# KiCad board Plume.kicad_pcb (continued)
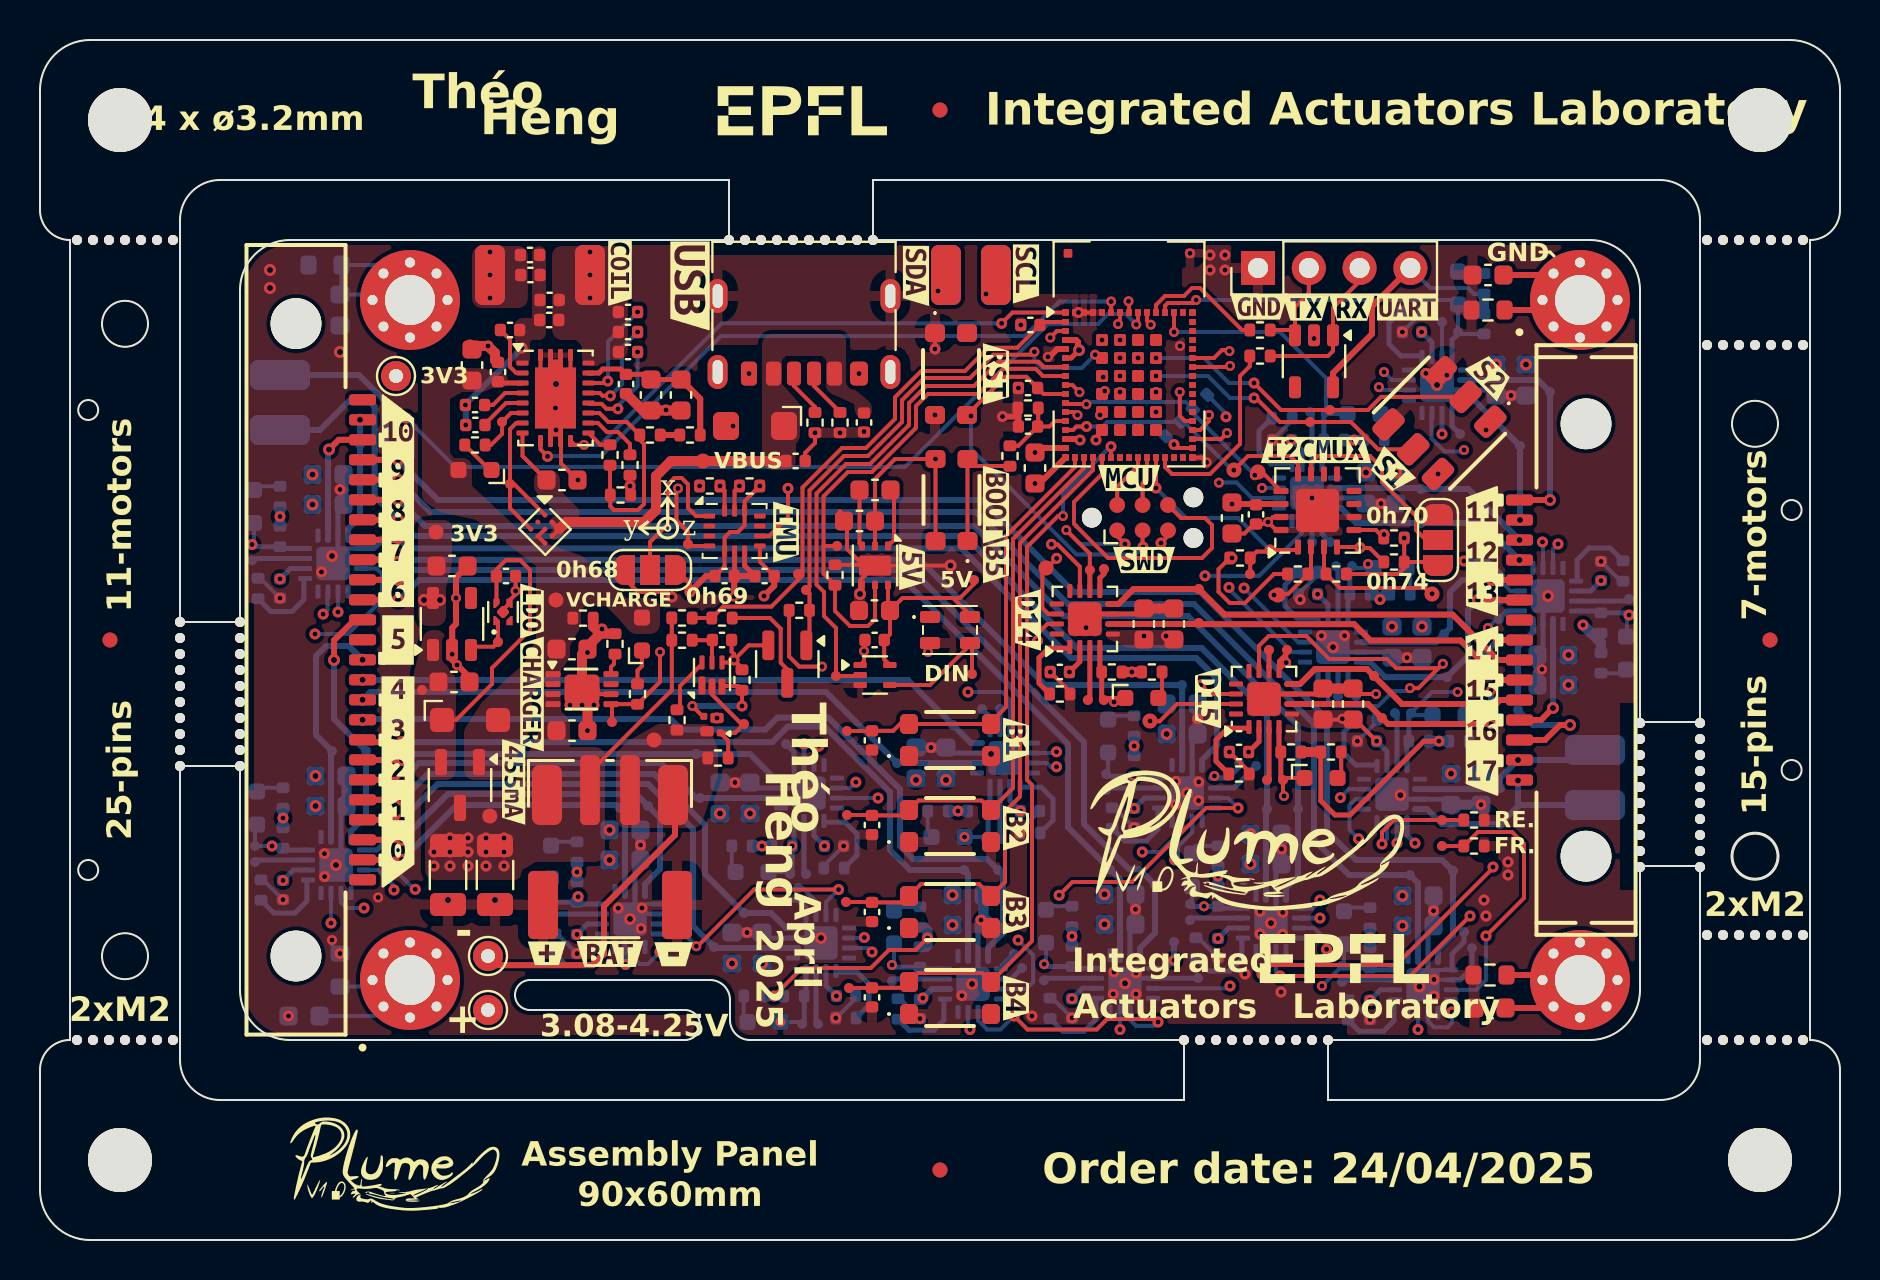
[diagram p0: board, top side]
## Routing (per net, layer and track width the routed paths; a pad name or vN(x,y) marks a point on that pad's centre or on a via; arc(x,y) is an arc through that point) (continued)
/Project Architecture/Logic - I2C Mux/A2: length 9.6
  L1 (Sig, PWR) w0.2: JP801.2 69.3,35 68.8,35.5 68.8,36.2 67.1,37.9 67.1,38.6 66.5,39.2 63.9,39.2 63.55,38.85 U801.11
/Project Architecture/Logic - I2C Mux/I2C1_SCL: length 13.8
  L1 (Sig, PWR) w0.2: v1(52.32,40.68) 51.83,40.68 51.65,40.5 51.28,40.5 ; v1(59.69,38.49) 60.4,39.2 62.5,39.2 62.9,38.8 U801.12
  L8 (Sig, PWR) w0.2: v1(59.69,38.49) 59.61,38.49 57.19,40.91 R803.2 57,40.9 53.36,40.9 53.13,40.68 v1(52.32,40.68)
/Project Architecture/Logic - I2C Mux/I2C1_SDA: length 12.9
  L1 (Sig, PWR) w0.2: 51.28,41.85 51.32,41.8 52.31,41.8 52.32,41.79 v2(52.32,41.78) ; v2(60.74,38.24) 61.26,38.24 U801.13
  L8 (Sig, PWR) w0.2: v2(52.32,41.78) 52.35,41.82 52.35,41.9 57.28,41.9 R802.2 57.64,41.34 60.63,38.35 v2(60.74,38.24)
/Project Architecture/Logic - I2C Mux/MUX_RESET: length 11.9
  L1 (Sig, PWR) w0.2: v1(55.8,37.6) U401.27 ; TP801.1 60.51,33.31 R801.2 60.83,34.42 61.42,34.42 v1(61.5,34.5) 62.75,34.5 U801.1
  L8 (Sig, PWR) w0.2: v1(55.8,37.6) 57.3,36.1 59.9,36.1 v1(61.5,34.5)
/Project Architecture/Logic - I2C Mux/SC0: length 128.3
  L1 (Sig, PWR) w0.2: v1(61.1,13.3) 61.55,13.75 67.8,13.75 72.65,18.6 v1(72.65,18.65) ; v1(69.61,32.31) 69.53,32.31 69.24,32.6 65,32.6 R804.2 64.2,33.4 U801.3
  L3 (Sig, PWR) w0.2: v1(61.1,13.3) 59.79,11.99 arc(59.47,11.78) 59.09,11.7 55.59,11.7 arc(55.21,11.62) 54.88,11.41 v1(54,10.53) v1(46.5,10.53) 46.5,10.99 arc(46.58,11.38) 46.79,11.7 53.29,18.2 53.5,18.2 arc(53.88,18.28) 54.21,18.49 v1(55.11,19.4) 51.01,23.5 50.99,23.5 v1(50.82,23.66) 43.87,23.66 arc(43.49,23.58) 43.17,23.37 v1(41.9,22.1) 41.9,15.11 arc(41.82,14.73) 41.61,14.41 v1(41.6,14.4) 41.57,14.43 34.74,14.43 arc(34.36,14.35) 34.03,14.13 33.97,14.07 arc(33.64,13.85) 33.26,13.78 v1(29.28,13.78) 29.17,13.78 29.14,13.74 25.97,13.74 arc(25.59,13.82) 25.26,14.04 23.74,15.56 arc(23.42,15.77) 23.04,15.85 v1(14.55,15.85)
  L3 (Sig, PWR) w0.3: v1(72.65,18.65) 72.62,18.68 72.62,20.49 arc(72.7,20.87) 72.92,21.19 73.15,21.43 73.15,28.36 arc(73.07,28.74) 72.86,29.06 v1(69.61,32.31)
  L8 (Sig, PWR) w0.2: v1(29.28,13.78) 29.28,13.88 29.25,13.92 29.25,14.59 ; 54,11.38 v1(54,10.53) ; v1(14.55,15.85) 14.55,17.29 ; v1(61.1,13.3) 61.3,13.5 61.3,14.39 ; v1(50.82,23.66) 50.54,23.66 50.35,23.85 49.71,23.85 ; v1(46.5,10.53) 46.4,10.62 46.4,11.34 ; 57.11,20.89 57.11,20.51 56,19.4 v1(55.11,19.4) ; 40.51,14.6 41.4,14.6 v1(41.6,14.4) ; v1(41.9,22.1) 39.91,22.1
/Project Architecture/Logic - I2C Mux/SC1: length 145.7
  L1 (Sig, PWR) w0.2: v1(67.2,35.28) 67.02,35.28 66.79,35.5 U801.5 ; 59.74,26.8 56.85,26.8 55.98,25.93 55.52,25.93 v1(55.5,25.95) ; v1(49.88,29.96) 49.88,30.31 50.37,30.8 50.79,30.8
  L3 (Sig, PWR) w0.2: 68.4,36.5 68.5,36.6 73.83,36.6 arc(74.22,36.52) 74.54,36.31 75.9,34.95 v1(75.9,34.8) 75.9,34.11 arc(75.82,33.73) 75.61,33.41 74.84,32.64 arc(74.63,32.32) 74.55,31.94 74.55,14.95 arc(74.47,14.57) 74.26,14.24 70.83,10.82 arc(70.51,10.6) 70.13,10.53 v1(68.9,10.53) 65.31,14.11 arc(65.09,14.44) 65.02,14.82 v1(65.02,22.12) 60.73,26.41 arc(60.41,26.62) 60.02,26.7 56.67,26.7 arc(56.29,26.62) 55.96,26.41 55.5,25.95 v1(55.5,25.95) 55.47,25.95 51.75,29.67 arc(51.43,29.88) 51.04,29.96 v1(49.88,29.96) 49.87,29.95 41.48,29.95 41.43,30 40.97,30 40.92,29.95 15.92,29.95 arc(15.53,30.03) 15.21,30.24 v1(14.16,31.29) ; 68.4,36.5 68.4,36.51 68.4,41.78 arc(68.32,42.17) 68.11,42.49 v2(67.2,43.4) ; 68.4,36.5 67.2,35.31 v1(67.2,35.28) 67.17,35.28 67.09,35.2 63.43,35.2 arc(63.05,35.12) 62.72,34.91 60.41,32.6 v1(60.2,32.6) 60.2,36.59 arc(60.28,36.97) 60.49,37.29 60.8,37.6 v2(61.1,37.6)
  L8 (Sig, PWR) w0.2: v1(60.2,32.6) 62.91,29.89 63.19,29.89 ; 14.4,32.37 14.37,32.34 14.37,31.51 v1(14.16,31.29) ; v2(67.2,43.4) 67.6,43 68.39,43 ; v2(61.1,37.6) 61.89,37.6 ; 68.9,11.3 v1(68.9,10.53) ; v1(75.9,34.8) 75.65,34.55 75.65,33.66 ; 66.14,22.54 65.44,22.54 v1(65.02,22.12)
/Project Architecture/Logic - I2C Mux/SD0: length 130.7
  L1 (Sig, PWR) w0.2: U801.2 63.55,33.45 R805.2 62.4,32.3 61.75,32.3 v1(61.7,32.25) ; v1(62,13.2) 68.5,13.2 v1(71.5,16.2) ; v1(48.7,11.2) 49.38,10.53 52.83,10.53 53.36,11.05 55.75,11.05 v1(55.9,10.9)
  L3 (Sig, PWR) w0.2: v1(71.5,16.2) 71.5,20.82 arc(71.42,21.2) 71.21,21.52 61.99,30.74 arc(61.78,31.06) 61.7,31.44 v1(61.7,32.25) ; v1(55.9,10.9) 59.29,10.9 arc(59.67,10.98) 59.99,11.19 v1(62,13.2) ; v1(48.7,11.2) 48.79,11.2 51.49,13.91 arc(51.82,14.12) 52.2,14.2 53.09,14.2 arc(53.47,14.28) 53.79,14.49 56.44,17.14 arc(56.66,17.47) 56.74,17.85 v1(56.74,19.01) 56.74,19.95 arc(56.66,20.34) 56.44,20.66 52.99,24.11 arc(52.67,24.32) 52.29,24.4 50.84,24.4 v1(50.82,24.41) 50.69,24.41 50.09,25.01 arc(49.77,25.22) 49.39,25.3 43.61,25.3 arc(43.23,25.22) 42.91,25.01 v1(40.79,22.89) 40.8,22.89 40.8,19.89 40.92,19.77 arc(41.14,19.45) 41.22,19.06 v1(41.22,15.12) 40.34,15.12 arc(39.96,15.2) 39.63,15.42 39.39,15.66 arc(39.07,15.87) 38.68,15.95 33.72,15.95 arc(33.33,15.87) 33.01,15.66 32.04,14.69 arc(31.72,14.48) 31.34,14.4 v1(31,14.4) 30.41,14.4 arc(30.03,14.48) 29.71,14.69 28.29,16.11 arc(27.97,16.32) 27.59,16.4 16.95,16.4 16.75,16.6 v1(16.2,16.6)
  L8 (Sig, PWR) w0.2: 39.91,22.6 40.5,22.6 v1(40.79,22.89) ; v1(41.22,15.12) 41.19,15.1 40.51,15.1 ; 61.8,14.39 61.8,13.4 v1(62,13.2) ; v1(56.74,19.01) 56.9,19.17 56.9,19.67 57.61,20.38 57.61,20.89 ; 29.75,14.59 29.75,14.03 29.98,13.8 30.4,13.8 v1(31,14.4) ; v1(48.7,11.2) 48.03,10.53 47.35,10.53 46.9,10.98 46.9,11.34 ; v1(55.9,10.9) 55.71,10.71 54.81,10.71 54.5,11.01 54.5,11.38 ; 15.05,17.29 15.05,16.88 15.33,16.6 v1(16.2,16.6) ; v1(50.82,24.41) 50.71,24.41 50.65,24.35 49.71,24.35
/Project Architecture/Logic - I2C Mux/SD1: length 136.4
  L1 (Sig, PWR) w0.2: 50.79,31.3 50.42,31.3 50.12,31.61 50.12,33.42 TP1105.1 50.35,33.6 v1(50.83,34.08) ; v1(58.04,27.75) 58.49,27.3 59.74,27.3 ; R807.2 66.49,34.6 66.03,34.6 v1(66,34.62) 65.88,34.62 65.85,34.65 U801.4
  L3 (Sig, PWR) w0.2: v1(70.6,11.4) 69.81,11.4 arc(69.43,11.48) 69.1,11.69 66.09,14.7 arc(65.88,15.03) 65.8,15.41 65.8,19.94 v1(65.93,20.06) 65.93,22.43 arc(65.85,22.81) 65.63,23.13 61.31,27.45 arc(60.99,27.67) 60.61,27.74 58.04,27.74 v1(58.04,27.75) 57.54,28.25 arc(57.33,28.57) 57.25,28.95 57.25,30.02 arc(57.33,30.4) 57.54,30.72 v1(59.45,32.63) ; v1(59.45,32.63) 58.61,31.79 arc(58.29,31.58) 57.91,31.5 56.66,31.5 arc(56.28,31.58) 55.96,31.79 53.96,33.79 arc(53.64,34.01) 53.25,34.08 v1(50.83,34.08) 48.34,31.59 arc(48.01,31.37) 47.63,31.29 15.01,31.29 v1(14.9,31.4) ; v1(59.45,32.63) 59.45,32.53 59.69,32.29 arc(60.02,32.08) 60.4,32 60.41,32 62.72,34.31 arc(63.05,34.52) 63.43,34.6 65.97,34.6 v1(66,34.62) 66.1,34.52 71.51,34.52 arc(71.89,34.45) 72.22,34.23 72.76,33.69 arc(73.08,33.48) 73.46,33.4 73.81,33.4 arc(74.19,33.48) 74.52,33.69 74.83,34.01 arc(75.05,34.33) 75.12,34.71 v1(75.12,34.9) ; v1(59.45,32.63) 59.26,32.82 arc(59.04,33.14) 58.97,33.53 58.97,37.85 v2(58.95,37.87) 58.95,38.23 arc(59.02,38.62) 59.24,38.94 62.65,42.35 arc(62.97,42.57) 63.36,42.64 v2(66.95,42.64) ; v1(59.45,32.63) 59.45,32.63 59.5,32.58
  L8 (Sig, PWR) w0.2: v1(59.45,32.63) 59.45,32.55 62.61,29.39 63.19,29.39 ; 68.39,42.5 67.09,42.5 v2(66.95,42.64) ; 14.9,32.37 v1(14.9,31.4) ; 61.89,37.1 60.6,37.1 59.82,37.88 58.96,37.88 v2(58.95,37.87) ; v1(70.6,11.4) 70.6,10.86 70.38,10.63 69.71,10.63 69.4,10.94 69.4,11.3 ; v1(75.12,34.9) 75.15,34.87 75.15,33.66 ; 66.14,22.04 65.78,22.04 65.47,21.74 65.47,20.51 v1(65.93,20.06)
/Project Architecture/MCU - Unit/BAT_SENSE: length 28
  L1 (Sig, PWR) w0.2: 51.28,45.9 50.15,45.9 C504.2 48.86,44.61 47.41,44.61 46.25,43.45 44.06,43.45 42.75,42.14 42.75,41.05 41.3,39.6 40.1,39.6 38.12,37.62 38.12,33.22 36.57,31.67 34.16,31.67 R503.1 R502.2
/Project Architecture/MCU - Unit/BAT_SENSE_EN: length 27
  L1 (Sig, PWR) w0.2: v2(52.76,44.27) 52.93,44.27 U401.62 ; Q501.1 38.48,29.89 R509.1 38.48,32.32 TP504.1 38.48,32.68 38.48,37.48 40.2,39.2 41.4,39.2 43.1,40.9 43.1,40.9 43.1,41.99 44.21,43.1 46.5,43.1 47.66,44.26 49.57,44.26 v2(49.72,44.41)
  L8 (Sig, PWR) w0.2: v2(52.76,44.27) 52.09,43.6 50.1,43.6 49.72,43.98 v2(49.72,44.41)
/Project Architecture/MCU - Unit/BOOT0: length 4.2
  L1 (Sig, PWR) w0.2: R402.2 49.91,40.7 C401.1 ; R401.2 48.91,39.71 C401.1 ; C401.1 50.47,40.67 50.75,40.95 51.28,40.95
/Project Architecture/MCU - Unit/BOOT0_B: length 6.4
  L1 (Sig, PWR) w0.2: R401.1 48.49,38.7 46.72,38.7 SW401.4 SW401.1
/Project Architecture/MCU - Unit/BUTTON1: length 22.5
  L1 (Sig, PWR) w0.2: U401.18 51.75,38.65 48.3,35.2 48.3,33.5 48.3,26.65 47.55,25.9 SW404.3 SW404.2 43.35,25.9 43.1,25.9 42.66,25.46 C407.1 41.4,25.46 41.39,25.45 TP401.1
/Project Architecture/MCU - Unit/BUTTON2: length 27.3
  L1 (Sig, PWR) w0.2: TP402.1 41.58,21.25 C408.1 43.18,21.23 SW405.2 43.93,21.98 47.07,21.98 SW405.3 48.65,22.6 48.65,35.05 52.2,38.6 U401.19
/Project Architecture/MCU - Unit/BUTTON3: length 31.9
  L1 (Sig, PWR) w0.2: U401.20 52.65,38.5 49,34.85 49,22.18 48.25,21.42 48.25,17.9 SW406.3 46.95,17.8 44.05,17.8 SW406.2 43.13,16.88 41.4,16.88 41.38,16.9 TP403.1
/Project Architecture/MCU - Unit/BUTTON4: length 37.8
  L1 (Sig, PWR) w0.2: v2(51.15,36.2) 50.9,36.2 49.35,34.65 49.35,23 49.6,22.75 49.6,14.95 SW407.3 47.1,13.35 43.9,13.35 43.16,12.61 C410.1 41.4,12.61 41.39,12.6 TP404.1 ; v1(53.55,39.67) U401.22
  L8 (Sig, PWR) w0.2: v1(53.55,39.67) 53.52,39.67 51.15,37.3 v2(51.15,36.2)
/Project Architecture/MCU - Unit/CHARGE_STATUS: length 35.4
  L1 (Sig, PWR) w0.2: TP503.1 28.6,26.74 U502.5 29.87,26.79 R505.2 31,27.91 v2(31,29.4)
  L6 (Sig,PWR) w0.2: v2(31,29.4) 31,29.44 45.48,43.92 48.17,43.92 49.92,45.67 53.25,45.67 53.92,45 v2(54,45)
/Project Architecture/MCU - Unit/DIN_3V3: length 26.7
  L1 (Sig, PWR) w0.2: IC901.2 40.96,28.2 TP902.1 39.8,30.6 39.2,31.2 39.2,32.4 38.83,32.77 38.83,37.33 40.3,38.8 41.5,38.8 43.4,40.7 43.4,40.7 43.45,40.75 43.45,41.85 44.3,42.7 46.7,42.7 47.91,43.91 49.93,43.91 50.19,43.65 51.28,43.65
/Project Architecture/MCU - Unit/EN1: length 32.9
  L1 (Sig, PWR) w0.2: U601.10 25.03,39.53 v1(25.38,39.18) ; v2(53.56,46.92) 53.56,46.38 U401.56
  L8 (Sig, PWR) w0.2: v2(53.56,46.92) 50.97,46.92 49.25,45.2 34.05,45.2 28.05,39.2 25.4,39.2 v1(25.38,39.18)
/Project Architecture/MCU - Unit/EN2: length 27.6
  L1 (Sig, PWR) w0.2: v1(48.08,45.83) 48.62,46.38 51.28,46.38 ; U601.11 26.72,39.75 v2(27.2,39.75)
  L8 (Sig, PWR) w0.2: v1(48.08,45.83) 48.08,45.83 34.08,45.83 28,39.75 v2(27.2,39.75)
/Project Architecture/MCU - Unit/I2C3_SCL: length 25.7
  L1 (Sig, PWR) w0.2: 51.28,41.4 51.72,41.4 v2(51.88,41.25) ; v1(34.97,37.7) 34.73,37.46 U1001.13
  L3 (Sig, PWR) w0.2: v1(34.97,37.7) 34.97,37.76 arc(35.05,38.14) 35.26,38.46 42.85,46.05 42.85,46.05 43.32,46.52 43.32,46.52 43.96,47.16 arc(44.28,47.37) 44.66,47.45 v1(44.9,47.45) 50.81,41.54 arc(51.14,41.32) 51.52,41.25 v2(51.88,41.25)
/Project Architecture/MCU - Unit/I2C3_SDA: length 30
  L1 (Sig, PWR) w0.2: U1001.14 34.23,37.47 v1(34,37.7) ; v2(51.97,42.39) 51.62,42.75 U401.9
  L3 (Sig, PWR) w0.2: v1(34,37.7) 34,40.49 arc(34.08,40.87) 34.29,41.19 41.16,48.06 arc(41.48,48.27) 41.87,48.35 46.23,48.35 arc(46.62,48.27) 46.94,48.06 47.3,47.7 v2(47.3,47.3) 47.3,46.21 arc(47.38,45.83) 47.59,45.51 50.61,42.49 arc(50.93,42.28) 51.31,42.2 51.78,42.2 v2(51.97,42.39)
/Project Architecture/MCU - Unit/IMU_INT1: length 35.8
  L1 (Sig, PWR) w0.2: 51.28,45.45 50.85,45.45 v2(50.51,45.12) ; U1001.4 32.5,34.7 TP1001.1 32.4,35.4 31.82,35.98 31.82,37.5 v2(31.9,37.58)
  L3 (Sig, PWR) w0.2: v2(50.51,45.12) 50.51,44.99 52.52,42.98 52.52,42.8 arc(52.6,42.42) 52.82,42.09 53.01,41.9 53.3,41.9 53.83,41.37 arc(54.05,41.04) 54.13,40.66 54.13,39.64 arc(54.05,39.26) 53.83,38.93 52.19,37.29 arc(51.87,37.08) 51.48,37 32.82,37 arc(32.43,37.08) 32.11,37.29 31.9,37.5 v2(31.9,37.58)
/Project Architecture/MCU - Unit/IMU_INT2: length 19.6
  L1 (Sig, PWR) w0.2: U1001.9 36.46,35.2 37.4,36.14 v1(37.4,37.58)
  L3 (Sig, PWR) w0.2: v1(52.8,40) 52.8,39.99 51.51,38.69 arc(51.18,38.48) 50.8,38.4 38.64,38.4 arc(38.26,38.32) 37.93,38.11 v1(37.4,37.58)
/Project Architecture/MCU - Unit/nFAULT0: length 89.5
  L1 (Sig, PWR) w0.2: v2(54.81,45.78) 54.9,45.86 U401.53
  L3 (Sig, PWR) w0.2: v1(18.3,41.1) 17.29,40.09 arc(17.08,39.77) 17,39.39 17,35.93 arc(16.92,35.55) 16.71,35.23 11.31,29.83 arc(11.09,29.5) 11.02,29.12 11.02,17.75 arc(11.09,17.37) 11.31,17.05 11.62,16.74 arc(11.94,16.52) 12.33,16.44 13.43,16.44 arc(13.81,16.52) 14.14,16.74 15.22,17.82 arc(15.54,18.03) 15.92,18.11 25.53,18.11 arc(25.91,18.03) 26.23,17.82 26.88,17.17 v1(26.9,17.17)
  L8 (Sig, PWR) w0.2: v2(54.81,45.78) 54.29,46.3 53.4,46.3 52.9,45.8 50.4,45.8 43.25,38.65 20.75,38.65 v1(18.3,41.1) ; TP1201.1 25.55,17.1 LED1201.1
  L8 (Sig, PWR) w0.25: TP1201.1 25.56,16.89 26.63,16.89 v1(26.9,17.17) 26.9,16.84 26.94,16.8 28.04,16.8
/Project Architecture/MCU - Unit/nFAULT1: length 49.3
  L6 (Sig,PWR) w0.2: v2(37.02,10.9) 38.2,12.08 38.2,16.42 38.2,16.42 38.2,21.03 37.22,22.01 37.22,25.26 37.86,25.9 39.02,25.9 41.32,28.2 45.5,28.2 46.7,29.4 46.7,38.37 50.62,42.29 50.62,42.95 51.43,43.76 52.52,43.76 52.56,43.72 53.62,43.72 v2(54,44.1)
  L8 (Sig, PWR) w0.2: v2(37.02,10.9) 38,10.9 TP1301.1
  L8 (Sig, PWR) w0.25: 38.3,13.39 38.3,12.29 R1303.2 38.21,10.91 TP1301.1
/Project Architecture/MCU - Unit/nFAULT2: length 40.4
  L6 (Sig,PWR) w0.2: v2(53.1,45) 52.83,45.27 51.87,45.27 51.35,44.74 51.35,44.25 50.3,43.21 50.3,43.2 50.22,43.12 50.22,42.45 46.3,38.53 46.3,29.8 45.1,28.6 41.15,28.6 38.85,26.3 37.7,26.3 36.82,25.43 36.82,21.84 37.8,20.87 37.8,19.89 v2(37.61,19.7)
  L8 (Sig, PWR) w0.2: TP1401.1 37.4,18.4 36.42,18.4
  L8 (Sig, PWR) w0.25: 37.7,20.89 37.7,19.79 v2(37.61,19.7) 37.61,18.41 TP1401.1
/Project Architecture/MCU - Unit/nFAULT3: length 46.9
  L6 (Sig,PWR) w0.2: v2(42.6,13.75) 41.44,13.75 38.6,16.59 38.6,21.2 37.62,22.18 37.62,25.09 38.03,25.5 39.18,25.5 41.48,27.8 45.9,27.8 47.1,29 47.1,38.2 51.02,42.12 51.02,42.79 51.58,43.34 52.37,43.34 52.6,43.11 52.96,43.11 53.04,43.03 53.15,43.15 v2(53.16,43.15)
  L8 (Sig, PWR) w0.2: v2(42.6,13.75) 42.7,13.85 42.7,14.83
  L8 (Sig, PWR) w0.25: 45.19,13.55 44.09,13.55 R1503.2 42.71,13.64 v2(42.6,13.75)
/Project Architecture/MCU - Unit/nFAULT4: length 33
  L1 (Sig, PWR) w0.2: U401.65 53.2,41.4
  L6 (Sig,PWR) w0.2: v2(46.22,20.15) 46.95,20.88 46.95,26.95 47.9,27.9 47.9,37.8 48.6,38.5 53.8,38.5 54.8,39.5 54.8,40.42 53.81,41.4 53.15,41.4 v2(53,41.25)
  L8 (Sig, PWR) w0.2: TP1601.1 47.2,20.15 v2(46.22,20.15)
  L8 (Sig, PWR) w0.25: 47.5,22.64 47.5,21.54 R1603.2 47.41,20.16 TP1601.1
/Project Architecture/MCU - Unit/nFAULT5: length 68.1
  L1 (Sig, PWR) w0.2: U401.55 54,45.9 v2(53.9,45.8)
  L3 (Sig, PWR) w0.2: v2(53.9,45.8) 53.9,45.8 52.16,45.8 51.69,45.8 51.35,46.14 51.35,46.15 51.29,46.21 51.22,46.28 51.06,46.38 50.88,46.46 50.68,46.5 50.59,46.5 49.81,46.5 49.72,46.5 49.52,46.54 49.34,46.62 49.18,46.72 49.11,46.79 47.39,48.51 47.32,48.58 47.16,48.68 46.98,48.76 46.78,48.8 46.69,48.8 38.48,48.8 38.38,48.8 38.19,48.76 38.01,48.68 37.85,48.58 37.77,48.51 34.16,44.89 34.09,44.82 33.92,44.71 33.74,44.64 33.55,44.6 33.45,44.6 32.98,44.6 32.88,44.6 32.69,44.56 32.51,44.48 32.34,44.37 32.27,44.31 30.49,42.53 30.42,42.45 30.32,42.29 30.24,42.11 30.2,41.92 30.2,41.82 30.2,38 30.2,37.9 30.16,37.71 30.08,37.53 29.98,37.36 29.91,37.29 27.41,34.79 27.34,34.72 27.17,34.62 26.99,34.54 26.8,34.5 26.7,34.5 16.96,34.5 16.86,34.5 16.67,34.46 16.49,34.38 16.33,34.28 16.26,34.21 11.87,29.82 11.8,29.75 11.69,29.58 11.62,29.4 11.58,29.21 11.57,29.11 11.57,19.73 v1(11.6,19.7)
  L8 (Sig, PWR) w0.2: v1(11.6,19.7) TP1701.1 10.75,20.67 10.85,20.78
  L8 (Sig, PWR) w0.25: v1(11.6,19.7) 12.04,19.7 R1703.2 12.24,19.5 13.34,19.5
/Project Architecture/MCU - Unit/nFAULT6: length 39.5
  L6 (Sig,PWR) w0.2: v2(54,42.4) 54,41.8 55.2,40.6 55.2,39.33 53.97,38.1 50.9,38.1 48.3,35.5 48.3,23.4 51.6,20.1 51.6,16.51 50.21,15.12 v2(50.21,13.79)
  L8 (Sig, PWR) w0.2: LED1801.1 50.3,13.88 v2(50.21,13.79) TP1801.1
  L8 (Sig, PWR) w0.25: 52.79,13.58 51.69,13.58 R1803.2 50.31,13.67 TP1801.1
/Project Architecture/MCU - Unit/nFAULT7: length 30.8
  L6 (Sig,PWR) w0.2: v2(54.7,23.19) 52.93,24.96 52.93,29.21 49.59,32.55 49.59,36.09 51.2,37.7 54.13,37.7 55.6,39.17 55.6,40.77 54.6,41.77 54.6,42.7 54.1,43.2 v2(54,43.2)
  L8 (Sig, PWR) w0.2: 53.41,24.38 53.41,23.4 TP1901.1
  L8 (Sig, PWR) w0.25: TP1901.1 53.42,23.19 v2(54.7,23.19) R1903.2 54.8,23.1 55.9,23.1
/Project Architecture/MCU - Unit/nFAULT8: length 65.9
  L1 (Sig, PWR) w0.2: v2(59.5,43.7) 59.5,43.7 59.45,43.65 U401.41
  L6 (Sig,PWR) w0.2: v2(58.2,16.69) 57.92,16.96 57.92,20.44 59.89,22.4 60.7,22.4 64.5,18.6 69.93,18.6 73.1,21.77 73.1,28.2 76.9,32 76.9,37.49 70.39,44 59.79,44 59.5,43.71
  L8 (Sig, PWR) w0.2: 57.6,17.87 57.6,16.9 TP2001.1
  L8 (Sig, PWR) w0.25: TP2001.1 57.61,16.69 v2(58.2,16.69) R2003.2 58.99,16.6 60.09,16.6
/Project Architecture/MCU - Unit/nFAULT9: length 62.4
  L1 (Sig, PWR) w0.2: U401.42 58.7,44.1 59.1,44.5 59.42,44.5 v2(59.47,44.45)
  L6 (Sig,PWR) w0.2: v2(59.47,44.45) 59.47,44.43 59.5,44.4 70.56,44.4 77.3,37.66 77.3,31.83 74.5,29.03 74.5,16.1 72,13.6 65,13.6 v2(64.1,12.7)
  L8 (Sig, PWR) w0.2: LED2101.1 65.2,13.81 TP2101.1 65.1,13.7 v2(64.1,12.7)
  L8 (Sig, PWR) w0.25: 67.69,13.51 66.59,13.51 R2103.2 65.21,13.6 TP2101.1
/Project Architecture/MCU - Unit/nFAULT10: length 56.3
  L1 (Sig, PWR) w0.2: v2(54.43,46.94) 54.45,46.91 U401.54
  L3 (Sig, PWR) w0.2: v1(10.6,34.78) 10.6,36.69 arc(10.68,37.07) 10.89,37.39 15.01,41.51 arc(15.33,41.72) 15.71,41.8 19.69,41.8 arc(20.07,41.88) 20.39,42.09 20.51,42.21 arc(20.83,42.42) 21.21,42.5 23.89,42.5 arc(24.27,42.58) 24.59,42.79 25.21,43.41 arc(25.53,43.62) 25.91,43.7 30.27,43.7 arc(30.65,43.78) 30.98,43.99 31.69,44.71 arc(32.02,44.92) 32.4,45 33.29,45 arc(33.67,45.08) 33.99,45.29 37.61,48.91 arc(37.93,49.12) 38.31,49.2 46.89,49.2 arc(47.27,49.12) 47.59,48.91 49.21,47.29 arc(49.53,47.08) 49.91,47 52.09,47 arc(52.47,46.92) 52.79,46.71 53.15,46.35 53.42,46.35 arc(53.81,46.42) 54.13,46.64 v2(54.43,46.94)
  L8 (Sig, PWR) w0.2: v1(10.6,34.78) 10.7,34.88 LED2201.1
  L8 (Sig, PWR) w0.25: 13.19,34.58 12.09,34.58 R2203.2 10.71,34.67 v1(10.6,34.78)
/Project Architecture/MCU - Unit/nFAULT11: length 19.2
  L1 (Sig, PWR) w0.2: v2(57.81,47) 57.66,46.85 56.39,46.85 56.25,46.71 U401.50
  L8 (Sig, PWR) w0.2: R2303.2 71,45.3 TP2301.1 70.9,46.6 ; 70.9,46.78 70.68,47 v2(57.81,47) 57.91,47.1
  L8 (Sig, PWR) w0.25: TP2301.1 70.9,45.3 70.6,45 70.6,44.21
/Project Architecture/MCU - Unit/nFAULT12: length 15.1
  L1 (Sig, PWR) w0.2: v2(56.7,45.4) U401.49
  L8 (Sig, PWR) w0.2: v2(56.7,45.4) 56.7,45.35 56.75,45.4 62,45.4 64.3,43.1 TP2401.1 64.4,41.3 65.38,41.3
  L8 (Sig, PWR) w0.25: 64.1,38.81 64.1,39.91 R2403.2 64.19,41.29 TP2401.1
/Project Architecture/MCU - Unit/nFAULT13: length 15.8
  L1 (Sig, PWR) w0.2: U401.33 59.05,40.05 v2(59.35,40.35)
  L6 (Sig,PWR) w0.2: v2(59.35,40.35) 59.41,40.35 65.96,33.8 v2(66.4,33.8)
  L8 (Sig, PWR) w0.2: 66.68,33.59 65.7,33.59 TP2501.1 ; v2(66.4,33.8) 66.61,33.59 LED2501.1
  L8 (Sig, PWR) w0.25: TP2501.1 65.49,33.58 R2503.2 65.4,32.2 65.4,31.1
/Project Architecture/MCU - Unit/nFAULT14: length 24.7
  L1 (Sig, PWR) w0.2: LED2601.1 53.29,27.1 TP2601.1 53.6,27 v2(53.7,26.9)
  L1 (Sig, PWR) w0.25: TP2601.1 53.08,27.11 R2603.2 52.99,28.49 52.99,29.59
  L6 (Sig,PWR) w0.2: v2(53.7,26.9) 53.7,30 50,33.7 50,35.86 51.43,37.3 54.3,37.3 56.12,39.12 56.12,41.08 v2(55.8,41.4)
/Project Architecture/MCU - Unit/nFAULT15: length 57.2
  L1 (Sig, PWR) w0.2: U401.35 57.25,40.95 56.99,41.21 v2(56.99,42.4) ; v2(62.2,22.2) 62.15,22.25 TP2701.1 62.25,23.1 LED2701.1
  L1 (Sig, PWR) w0.25: 61.95,25.59 61.95,24.49 R2703.2 62.04,23.11 TP2701.1
  L6 (Sig,PWR) w0.2: v2(56.99,42.4) 59.59,42.4 60.46,41.52 72.09,41.52 76.48,37.14 76.48,32.18 71.43,27.13 71.43,21.71 68.95,19.22 65.18,19.22 v2(62.2,22.2)
/Project Architecture/MCU - Unit/nFAULT16: length 40.4
  L1 (Sig, PWR) w0.2: U401.52 55.35,45.95 v2(55.54,45.76)
  L6 (Sig,PWR) w0.2: v1(79.45,31.25) 79.45,40.96 76.31,44.1 74.82,44.1 72.85,46.08 55.85,46.08 55.54,45.77 v2(55.54,45.76)
  L8 (Sig, PWR) w0.2: v1(79.45,31.25) 79.35,31.15 79.35,30.17
  L8 (Sig, PWR) w0.25: 76.86,31.45 77.96,31.45 R2803.2 79.34,31.36 v1(79.45,31.25)
/Project Architecture/MCU - Unit/nFAULT17: length 36.1
  L1 (Sig, PWR) w0.2: v2(58.45,41.25) 58.45,40.95 58,40.5 U401.34
  L6 (Sig,PWR) w0.2: v2(58.45,41.25) 58.93,41.74 59.54,41.74 60.39,40.88 70.62,40.88 73.2,38.3 73.2,32.3 71.6,30.7 71.6,28.33 70.88,27.61 v2(70.88,27.4)
  L8 (Sig, PWR) w0.2: v2(70.88,27.4) 69.6,27.4 68.55,26.35 TP2901.1 68.65,26.24 LED2901.1
  L8 (Sig, PWR) w0.25: TP2901.1 68.44,26.23 R2903.2 68.35,24.85 68.35,23.75
/Project Architecture/MCU - Unit/nSLEEP_FRONT: length 166.5
  L1 (Sig, PWR) w0.2: v1(59.9,21.6) 58.3,21.6 54.6,17.9 51.62,17.9 v1(50.96,17.24) ; v1(39.93,17.52) 35.71,17.52 32.9,14.72 32.9,14.72 32.87,14.69 v2(32.82,14.69) ; v1(72.3,15.2) 74.2,17.1 74.2,19.8 73.6,20.4 71.89,20.4 R404.1 TP1101.1
  L6 (Sig,PWR) w0.2: v1(72.3,15.2) 71.63,14.53 64.37,14.53 v1(64.33,14.53) 64.29,14.5 61,14.5 59.5,16 59.5,16.1 ; v1(59.9,21.6) 58.32,20.02 58.32,17.96 59.5,16.78 v1(59.5,12.7) ; v1(13.75,30.3) 13.75,25.95 15.6,24.1 15.6,19.6 v1(17.7,17.5) 19,16.2 27.1,16.2 28.3,15 32.62,15 32.9,14.72 32.9,14.6 32.9,14.6 v2(32.82,14.69) ; v2(53.24,42.45) 53.22,42.43 52.72,42.43 52.2,42.94 51.75,42.94 51.42,42.62 51.42,41.92 47.5,38 47.5,28.1 46.8,27.4 v1(46.4,27.4) 41.65,27.4 v1(38.94,24.69) 39.05,24.59 39.05,21.85 40.8,20.1 40.8,19.3 39.93,18.43 v1(39.93,17.52) 39.93,17.47 43.1,14.3 48.21,14.3 v1(48.9,15) 48.9,15 50.96,17.06 v1(50.96,17.24)
  L8 (Sig, PWR) w0.2: v1(64.33,14.53) 64.33,14.97 63.7,15.6 63.01,15.6 ; 16.11,33.58 16.82,33.58 17.1,33.3 17.1,32 15.4,30.3 v1(13.75,30.3) ; 48.11,12.55 49.31,12.55 49.66,12.9 49.66,14.24 v1(48.9,15) ; v1(46.4,27.4) 48.1,27.4 48.5,27 48.5,25.56 ; 30.96,15.8 31.71,15.8 v2(32.82,14.69) ; 55.71,12.58 59.38,12.58 v1(59.5,12.7) ; v1(38.94,24.69) 38.7,24.45 38.7,23.81 ; v1(59.9,21.6) 59.4,22.1 58.81,22.1 ; 16.26,18.5 16.9,18.5 17.7,17.7 v1(17.7,17.5) ; v1(39.93,17.52) 39.3,16.89 39.3,16.31 ; v1(72.3,15.2) 72.3,13 71.81,12.51 70.61,12.51
/Project Architecture/MCU - Unit/nSLEEP_REAR: length 96.3
  L1 (Sig, PWR) w0.2: v1(50.57,34.79) 50.87,34.79 51.99,33.66 51.99,32.51 ; 71.09,20.9 R406.1 TP1102.1 67.7,21 67.1,20.4 v1(67.1,19.8) ; 60.95,28.51 60.95,29.71 61.44,30.2 63.31,30.2 64.46,29.05 67.35,29.05 67.81,28.59 69.92,28.59 v2(70.14,28.81) 68.92,27.59 v2(68.5,27.59)
  L6 (Sig,PWR) w0.2: v1(58.25,33.21) 70.41,33.21 71.15,33.95 v1(71.2,33.95) ; v1(58.25,33.21) 52.52,33.21 50.94,34.79 v1(50.57,34.79) ; v1(58.25,33.21) 56.82,34.64 56.82,39.08 57.28,39.54 57.28,40.92 v2(55.8,42.4) ; 71.2,28.7 71.09,28.81 v2(70.14,28.81) ; 71.2,28.7 71.2,28.5 67.1,24.4 67.1,19.83 67.07,19.8 v1(67.1,19.8) ; 71.2,28.7 v1(71.2,33.95) ; v1(71.2,33.95) v2(71.2,39.5)
  L8 (Sig, PWR) w0.2: v2(68.5,27.59) 68.36,27.45 67.66,27.45 66.9,26.69 64.69,26.69 64.4,26.98 64.4,28.18 ; 63.1,35.89 63.1,35.36 60.95,33.21 v1(58.25,33.21) ; 69.6,41.29 69.57,41.27 69.57,40.08 70.23,39.43 71.13,39.43 v2(71.2,39.5) ; 73.94,32.45 73.53,32.45 73.15,32.82 73.15,33.23 72.43,33.95 v1(71.2,33.95) ; 67.35,20.83 67.35,20.08 67.1,19.83 v1(67.1,19.8)
/Project Architecture/MCU - Unit/SWCLK: length 2.5
  L1 (Sig, PWR) w0.2: J402.4 55.13,37.83 55.35,38.05 U401.26
/Project Architecture/MCU - Unit/SWDIO: length 2.8
  L1 (Sig, PWR) w0.2: U401.25 54.9,38.7 53.86,37.66 J402.2
/Project Architecture/MCU - Unit/SWITCH1: length 14.4
  L1 (Sig, PWR) w0.2: SW403.5 66.91,39.54 65.54,40.9 TP405.1 62,40.9 60.8,42.1 v1(60.7,42.1)
  L8 (Sig, PWR) w0.2: v1(55.8,43.2) 58.4,43.2 59.5,42.1 v1(60.7,42.1)
/Project Architecture/MCU - Unit/SWITCH2: length 16.8
  L1 (Sig, PWR) w0.2: SW403.2 67.05,42.15 66.4,41.5 TP406.1 62.05,41.5 v1(60.7,42.85)
  L8 (Sig, PWR) w0.2: v1(55.8,44.1) 58.2,44.1 59.45,42.85 v1(60.7,42.85)
/Project Architecture/MCU - Unit/SWO: length 15.5
  L1 (Sig, PWR) w0.2: U401.21 53.1,38.3 51.7,36.9 51.7,35.82 51.81,35.7 51.81,35.69 53.4,34.1 58.1,34.1 58.6,34.6 58.6,35.75 58.25,36.1 57.05,36.1 J402.6
/Project Architecture/MCU - Unit/USART1_RX: length 9.6
  L1 (Sig, PWR) w0.2: R405.1 60.49,43.69 60,43.2 60,39.8 58.5,38.3 56.6,38.3 56.25,38.65 U401.28
/Project Architecture/MCU - Unit/USART1_RX_C: length 7.9
  L1 (Sig, PWR) w0.2: J401.3 65.98,47.94 64.65,46.61 64.65,44.45 64.4,44.2 R405.2
/Project Architecture/MCU - Unit/USART1_TX: length 6.3
  L1 (Sig, PWR) w0.2: U401.51 55.8,46.75 56.25,47.2 57.2,47.2 57.6,47.6 58,47.6 60.1,45.5 R403.1 60.49,45.51
/Project Architecture/MCU - Unit/USART1_TX_C: length 5
  L1 (Sig, PWR) w0.2: R403.2 62.7,45.5 62.8,45.6 ; D401.3 62.75,46.65 63.44,47.34 J401.2
/Project Architecture/MCU - Unit/~{RESET}: length 19.5
  L1 (Sig, PWR) w0.2: 51.28,42.3 50.18,42.3 C402.1 49.32,43.16 48.26,43.16 SW402.3 ; J402.3 55.13,34.67 v1(55.15,34.65)
  L8 (Sig, PWR) w0.2: v1(55.15,34.65) 54.77,34.27 51.83,34.27 46.55,39.55 v1(46.55,41.2)
/Project Architecture/Misc - Mounting Holes & Fiducials/HOLE1: length 9.3
  L8 (Sig, PWR) w0.2: 18.22,47.28 H3001.1 16.75,48.75 R3001.1 15.08,47.35 C3001.1 18.22,47.28